# Altium PCB Roll_Min_R00.PcbDoc (part 1 of 2)
Units mm, origin at the board's own origin, x right, y up, seen from the top; angles counter-clockwise.
Board outline 100 x 140 mm, 2 copper layers (TOP, BOT), stack 1.58 mm thick; 106 components, 80 nets, 281 pads, 47 vias.
Unrouted connection lines stored in the file: 32.
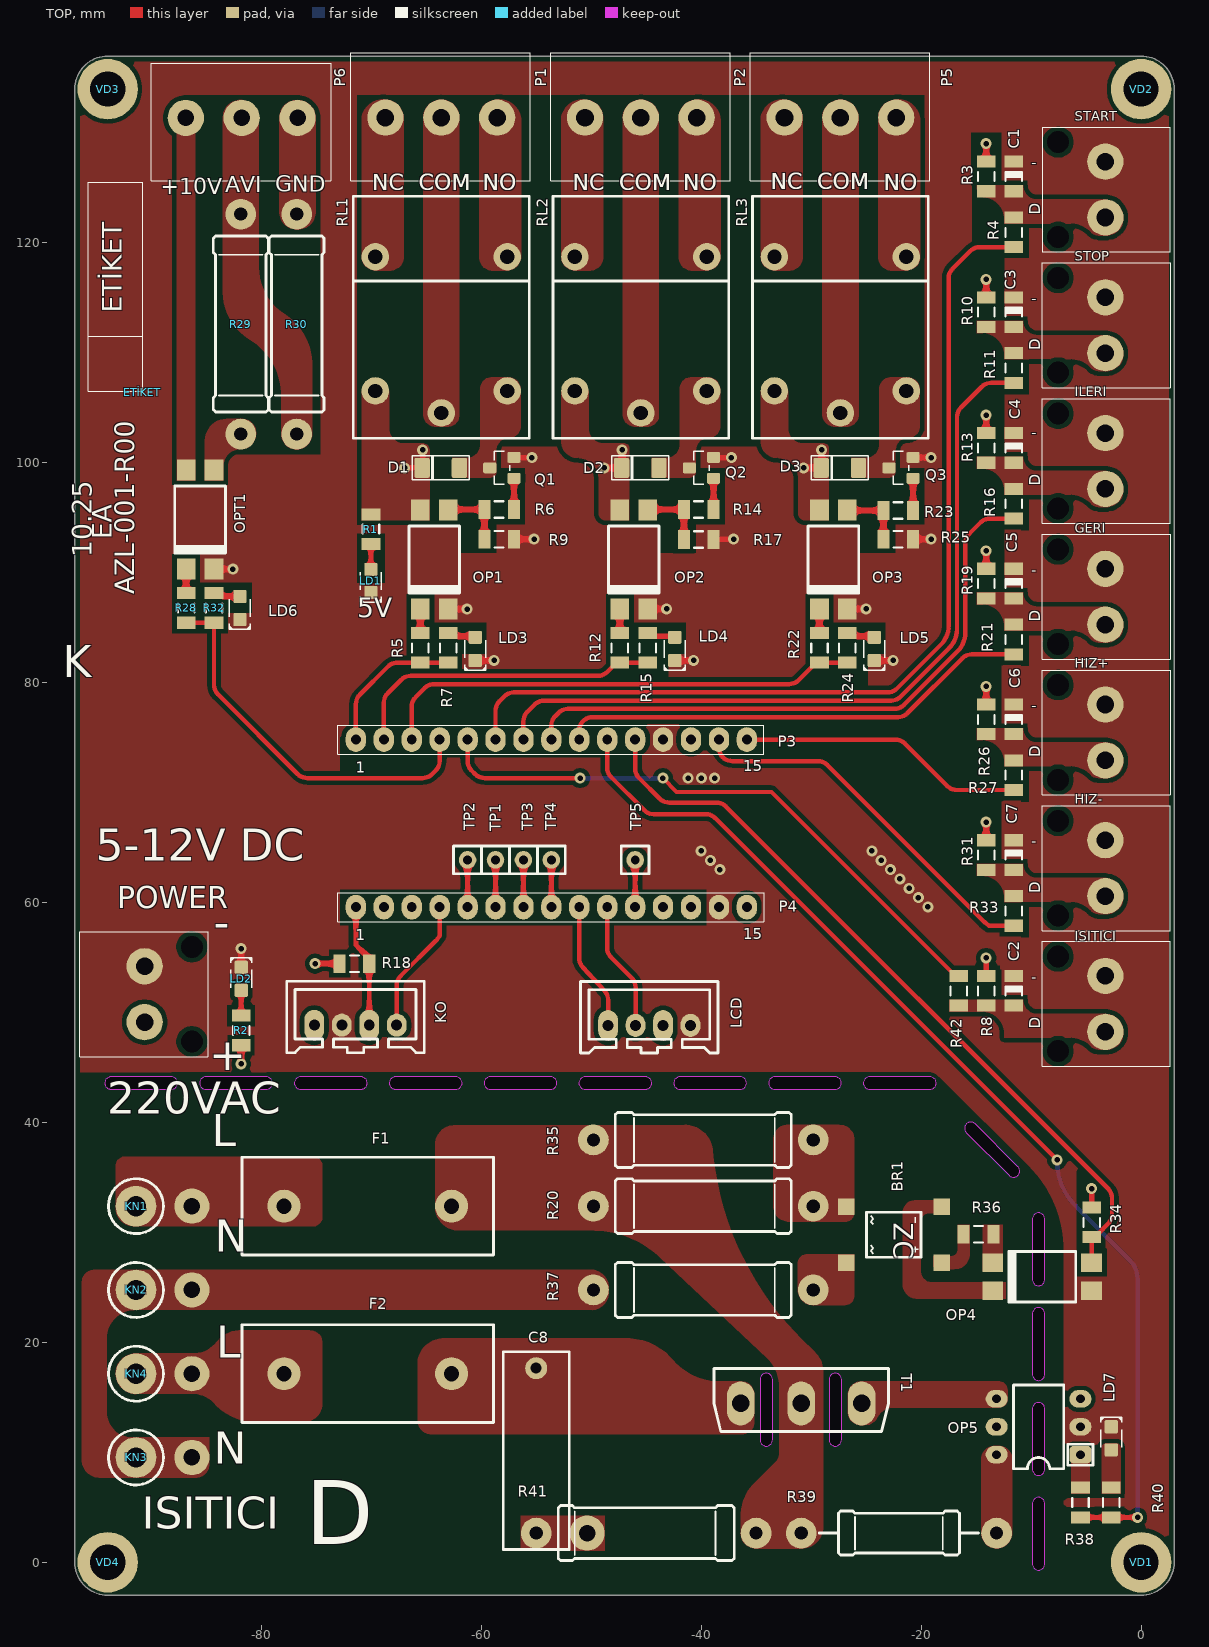
[diagram p0: TOP view]
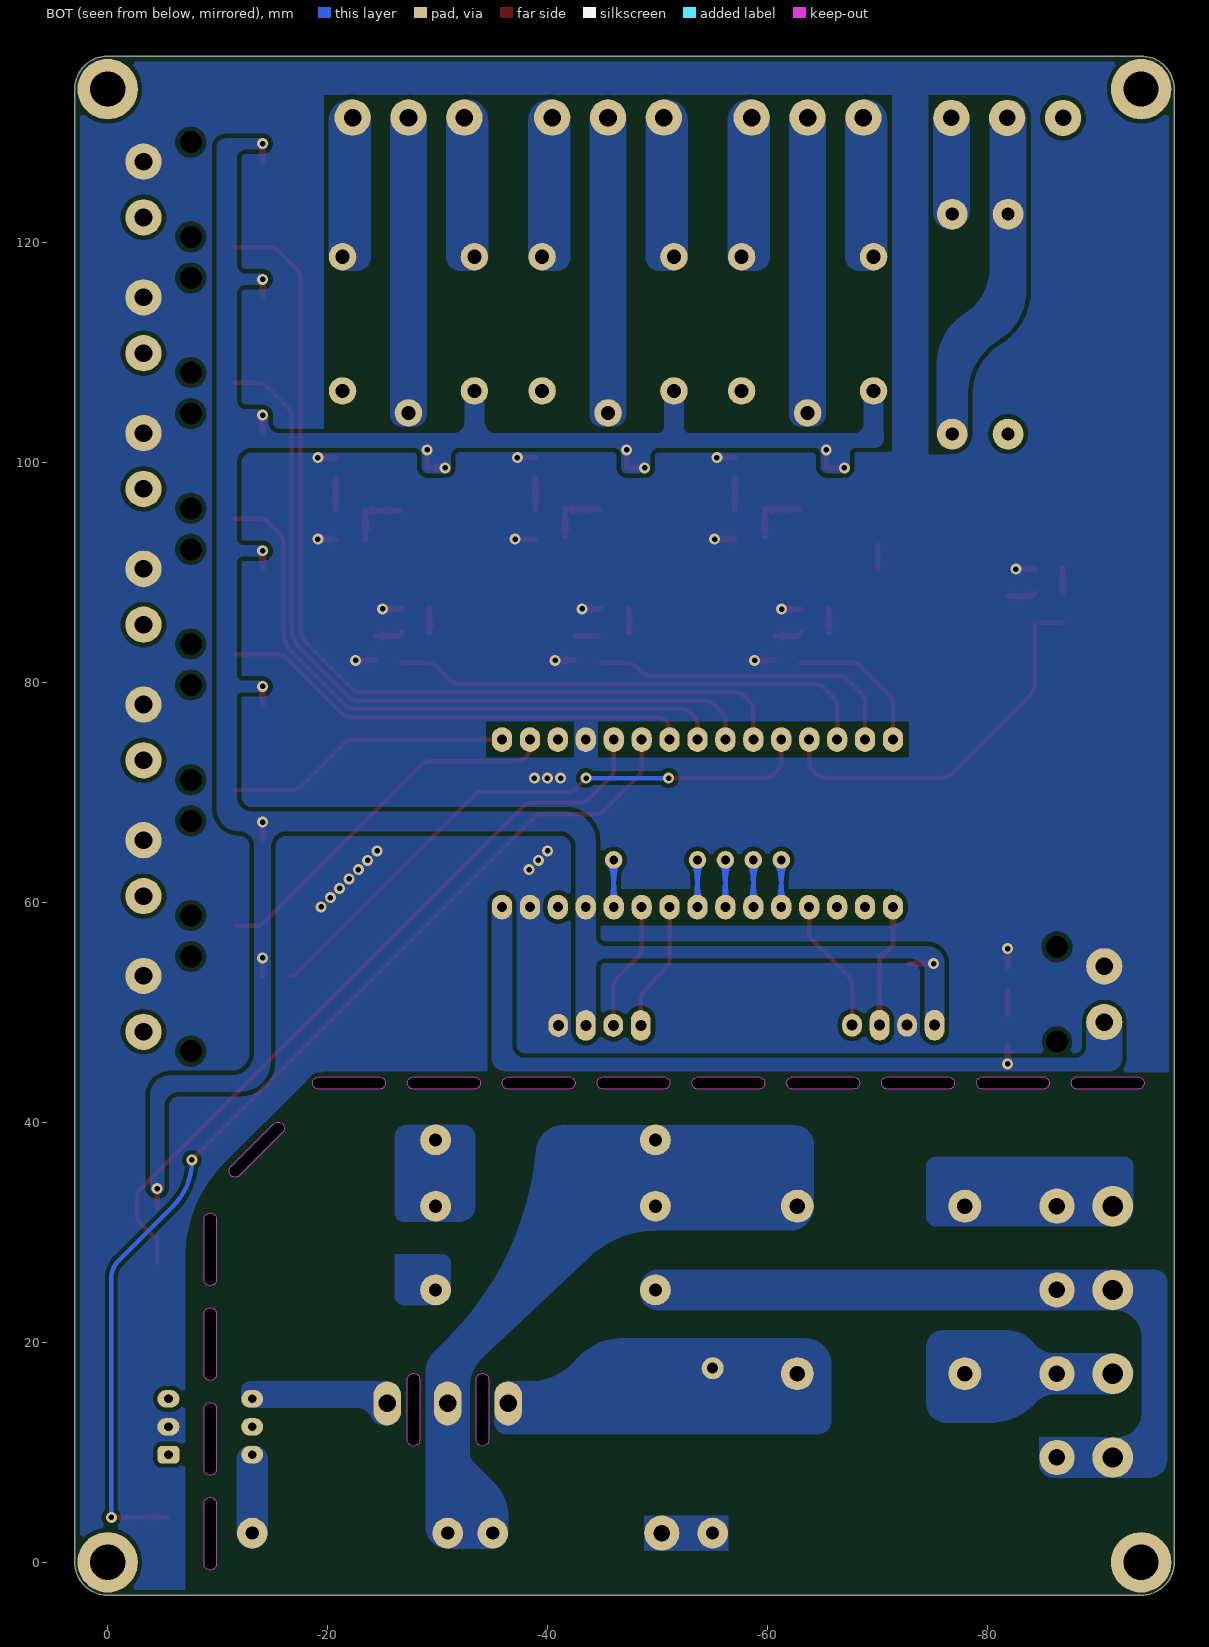
[diagram p1: BOT view, seen from below]

## Layer stack, top to bottom
Top Solder: solder mask 0.01, Solder Resist, Dk 3.5
TOP: signal copper 0.035
Dielectric 2: core 1.51, Core-009, Dk 4.5
BOT: signal copper 0.035
Bottom Solder: solder mask 0.01, Solder Resist, Dk 3.5

## Board outline
-94,-3 cw(c-94,0) -97,0 -97,134 cw(c-94,134) -94,137 0,137 cw(c0,134) 3,134 3,0 cw(c0,0) 0,-3
cut-out: -8.769,-0.155 -8.769,5.345 ccw(c-9.332,5.345) -9.332,5.908 ccw(c-9.332,5.345) -9.894,5.345 -9.894,-0.155 ccw(c-9.332,-0.155) -9.332,-0.717 ccw(c-9.332,-0.155)
cut-out: -8.769,8.47 -8.769,13.97 ccw(c-9.332,13.97) -9.332,14.533 ccw(c-9.332,13.97) -9.894,13.97 -9.894,8.47 ccw(c-9.332,8.47) -9.332,7.908 ccw(c-9.332,8.47)
cut-out: -15.89,39.074 -12.001,35.185 ccw(c-11.603,35.583) -11.205,35.185 ccw(c-11.603,35.583) -11.205,35.98 -15.095,39.87 ccw(c-15.492,39.472) -15.89,39.87 ccw(c-15.492,39.472)
cut-out: -8.769,25.72 -8.769,31.22 ccw(c-9.332,31.22) -9.332,31.783 ccw(c-9.332,31.22) -9.894,31.22 -9.894,25.72 ccw(c-9.332,25.72) -9.332,25.158 ccw(c-9.332,25.72)
cut-out: -8.769,17.095 -8.769,22.595 ccw(c-9.332,22.595) -9.332,23.158 ccw(c-9.332,22.595) -9.894,22.595 -9.894,17.095 ccw(c-9.332,17.095) -9.332,16.533 ccw(c-9.332,17.095)
cut-out: -24.704,43.029 -19.204,43.029 ccw(c-19.204,43.592) -18.642,43.592 ccw(c-19.204,43.592) -19.204,44.154 -24.704,44.154 ccw(c-24.704,43.592) -25.267,43.592 ccw(c-24.704,43.592)
cut-out: -33.329,43.029 -27.829,43.029 ccw(c-27.829,43.592) -27.267,43.592 ccw(c-27.829,43.592) -27.829,44.154 -33.329,44.154 ccw(c-33.329,43.592) -33.892,43.592 ccw(c-33.329,43.592)
cut-out: -41.954,43.029 -36.454,43.029 ccw(c-36.454,43.592) -35.892,43.592 ccw(c-36.454,43.592) -36.454,44.154 -41.954,44.154 ccw(c-41.954,43.592) -42.517,43.592 ccw(c-41.954,43.592)
cut-out: -50.579,43.029 -45.079,43.029 ccw(c-45.079,43.592) -44.517,43.592 ccw(c-45.079,43.592) -45.079,44.154 -50.579,44.154 ccw(c-50.579,43.592) -51.142,43.592 ccw(c-50.579,43.592)
cut-out: -88.204,44.154 -93.704,44.154 ccw(c-93.704,43.592) -94.267,43.592 ccw(c-93.704,43.592) -93.704,43.029 -88.204,43.029 ccw(c-88.204,43.592) -87.642,43.592 ccw(c-88.204,43.592)
cut-out: -79.579,44.154 -85.079,44.154 ccw(c-85.079,43.592) -85.642,43.592 ccw(c-85.079,43.592) -85.079,43.029 -79.579,43.029 ccw(c-79.579,43.592) -79.017,43.592 ccw(c-79.579,43.592)
cut-out: -70.954,44.154 -76.454,44.154 ccw(c-76.454,43.592) -77.017,43.592 ccw(c-76.454,43.592) -76.454,43.029 -70.954,43.029 ccw(c-70.954,43.592) -70.392,43.592 ccw(c-70.954,43.592)
cut-out: -62.329,44.154 -67.829,44.154 ccw(c-67.829,43.592) -68.392,43.592 ccw(c-67.829,43.592) -67.829,43.029 -62.329,43.029 ccw(c-62.329,43.592) -61.767,43.592 ccw(c-62.329,43.592)
cut-out: -59.204,43.029 -53.704,43.029 ccw(c-53.704,43.592) -53.142,43.592 ccw(c-53.704,43.592) -53.704,44.154 -59.204,44.154 ccw(c-59.204,43.592) -59.767,43.592 ccw(c-59.204,43.592)
cut-out: -28.379,16.629 -28.379,11.129 ccw(c-27.817,11.129) -27.817,10.567 ccw(c-27.817,11.129) -27.254,11.129 -27.254,16.629 ccw(c-27.817,16.629) -27.817,17.192 ccw(c-27.817,16.629)
cut-out: -34.654,16.629 -34.654,11.129 ccw(c-34.092,11.129) -34.092,10.567 ccw(c-34.092,11.129) -33.529,11.129 -33.529,16.629 ccw(c-34.092,16.629) -34.092,17.192 ccw(c-34.092,16.629)

## Design rules (kind name [scope] priority, off if disabled: settings)
AcuteAngle [All] p1: minimum=7.00000000000000E+0001 checktracksonly=TRUE
AssemblyTestPointUsage [All] p1 off:
AssemblyTestpoint [All] p1 off: testpointundercomponent=TRUE minsize=1.016 maxsize=2.54 preferedsize=1.524 minholesize=0 maxholesize=1.016 preferedholesize=0.813 testpointgrid=0.025 usegrid=TRUE gridtolerance=0 allowsidetop=TRUE allowsidebottom=TRUE
BoardOutlineClearance [All] p1: gap=0.5 ignorepadtopadclearanceinfootprint=FALSE except(0.1: Poly-CutoutEdge)
Clearance POLY_GND [All vs (InNamedPolygon('GND_L01_P3079') OR InNamedPolygon('GND_L02_P3177'))] p1: gap=1 ignorepadtopadclearanceinfootprint=FALSE
Clearance polygon [All vs InPolygon] p2: gap=0.4 ignorepadtopadclearanceinfootprint=FALSE
Clearance Genel [All] p3: gap=0.25 ignorepadtopadclearanceinfootprint=FALSE except(0.245: Arc-Arc Arc-Track Track-Track)
ComponentClearance [All] p1: gap=0 collisioncheckmode=3 verticalgap=0 showdistances=FALSE
DiffPairsRouting [All] p1: maxlimit=0.2 minlimit=0.2 mostfreqgap=0.2 toplayer_minwidth=0.2 toplayer_maxwidth=0.2 toplayer_prefwidth=0.2 bottomlayer_minwidth=0.2 bottomlayer_maxwidth=0.2 bottomlayer_prefwidth=0.2 maxuncoupledlength=10
FabricationTestPointUsage [All] p1 off: valid=0 allowmultiple=FALSE
FabricationTestpoint [All] p1 off: side=3 testpointundercomponent=TRUE minsize=1.016 maxsize=2.54 preferedsize=1.524 minholesize=0 maxholesize=1.016 preferedholesize=0.813 testpointgrid=0.025 allowsidetop=TRUE allowsidebottom=TRUE usegrid=TRUE gridtolerance=0
FanoutControl Fanout_BGA [IsBGA] p1: bgadir=Out bgaviamode=Centered fanoutstyle=BGA fanoutdirection=Alternating viagrid=0.025 // Fanout_BGA (Default Rule)
HoleSize [All] p1: absolutevalues=TRUE maxlimit=6.4 minlimit=0.05 maxpercent=80.000 minpercent=20.000
HoleToHoleClearance [All] p1: gap=0.5 allowstackedmicrovias=TRUE
MinimumAnnularRing [All] p1: minimumring=0.15
MinimumSolderMaskSliver [All] p1: minsoldermaskwidth=0
NetsToIgnore [All] p1:
PlaneClearance [All] p1: clearance=0.5
PlaneConnect [All] p1: planeconnectstyle=Direct reliefexpansion=0.5 reliefentries=4 reliefconductorwidth=0.25 reliefairgap=0.25
PolygonConnect [All] p1: connectstyle=Direct reliefconductorwidth=0.25 reliefentries=4 polygonreliefangle="90 Angle" airgapwidth=0.25
RoutingCorners [All] p1: cornerstyle=45-Degree minsetback=2.5 maxsetback=2.5
RoutingVias [All] p1: holewidth=0.2 width=0.5 viastyle="Through Hole" minholewidth=0.05 minwidth=0.35 maxholewidth=0.7 maxwidth=1
SMDEntry [All] p1: side=TRUE corner=TRUE anyangle=TRUE
SMDToCorner [All] p1: distance=0
SMDToPlane [All] p1: distance=0
SilkToSilkClearance [All] p1: silktosilkclearance=0.05
SilkToSolderMaskClearance [All] p1: minsilkscreentomaskgap=0.05 clearancetoexposedcopper=FALSE
SolderMaskExpansion [All] p1: expansion=0.05 istentingtop=FALSE
SupplyNets "Schematic Supply Nets_3" [InNet('GND')] p1: voltage=0.000
SupplyNets "Schematic Supply Nets_2" [InNet('+3v3')] p2: voltage=0.000
SupplyNets "Schematic Supply Nets_1" [InNet('+5v')] p3: voltage=0.000
SupplyNets "Schematic Supply Nets" [InNet('VIN')] p4: voltage=0.000
UnRoutedNet [All] p1: checkbadconnections=TRUE
ViasUnderSMD [All] p1: allowed=FALSE
Width [All] p1: maxlimit=5 minlimit=0.35 preferedwidth=0.4 minimp=50.000000 maximp=50.000000 favimp=50.000000
14 further rules are at their usual default settings.

## Components (designator, comment, footprint, x,y, rotation, side; value= is the part's Value field where it differs from the comment)
BR1 "" TO-269AA -22.494,29.797 r270 top value=MB6S
C1 "100nF" C1206 -11.586,126.059 r270 top
C2 "100nF" C1206 -11.586,51.989 r270 top
C3 "100nF" C1206 -11.586,113.714 r270 top
C4 "100nF" C1206 -11.586,101.369 r270 top
C5 "100nF" C1206 -11.586,89.024 r270 top
C6 "100nF" C1206 -11.586,76.679 r270 top
C7 "100nF" C1206 -11.586,64.334 r270 top
C8 "100NF 305VAC" "CFR F15 L18 B6 H12" -55.024,17.653 r270 top
D1 "LL4148" SOD80 -65.294,99.545 r0 top
D2 "LL4148" SOD80 -47.144,99.545 r0 top
D3 "LL4148" SOD80 -28.994,99.545 r0 top
ETİKET "Etiket" ETIKET -90.791,106.534 r90 top (schematic designator ETİKET1)
F1 "TK79" "TK 79" -62.724,32.393 r180 top
F2 "TK79" "TK 79" -62.724,17.153 r180 top
GERI "1730395" 1730395 -5.405,87.827 r270 top
HIZ+ "1730395" 1730395 -5.405,75.482 r270 top
HIZ- "1730395" 1730395 -5.405,63.137 r270 top
ILERI "1730395" 1730395 -5.405,100.172 r270 top
ISITICI "1730395" 1730395 -5.405,50.792 r270 top
KN1 "RT_01T_1.5A" RT_01T_1.5A -91.424,32.393 r270 top
KN2 "RT_01T_1.5A" RT_01T_1.5A -91.424,24.773 r270 top
KN3 "RT_01T_1.5A" RT_01T_1.5A -91.424,9.533 r270 top
KN4 "RT_01T_1.5A" RT_01T_1.5A -91.424,17.153 r270 top
KO "2641P0401T" 35312_4 -75.21,48.854 r0 top
LCD "2641P0401T" 35312_4 -48.485,48.831 r0 top
LD1 "LTST C170 KGKT GRN" "LED0805 GRN" -70.058,89.263 r90 top
LD2 "LTST C170 KGKT GRN" "LED0805 GRN" -81.856,53.079 r270 top
LD3 "LTST C170 KGKT GRN" "LED0805 GRN" -60.571,83.075 r90 top
LD4 "LTST C170 KGKT GRN" "LED0805 GRN" -42.421,83.075 r90 top
LD5 "LTST C170 KGKT GRN" "LED0805 GRN" -24.271,83.075 r90 top
LD6 "LTST C170 KGKT GRN" "LED0805 GRN" -81.975,86.801 r90 top
LD7 "LTST C170 KGKT GRN" "LED0805 GRN" -2.724,11.277 r270 top
OP1 "PS2501L-1-HA" DIP4SMD -65.564,86.769 r90 top
OP2 "PS2501L-1-HA" DIP4SMD -47.414,86.769 r90 top
OP3 "PS2501L-1-HA" DIP4SMD -29.264,86.769 r90 top
OP4 "PS2501L-1-HA" DIP4SMD -13.444,27.247 r0 top
OP5 "MOC3021" DIP6 -5.524,9.787 r180 top
OPT1 "PS2501L-1-HA" DIP4SMD -86.868,90.395 r90 top
P1 "xxxx" 5.08_3pin#1 -63.657,131.406 r0 top
P2 "xxxx" 5.08_3pin#1 -45.507,131.406 r0 top
P3 "0022284103" HDR1X15 -53.645,74.829 r0 top
P4 "0022284103" HDR1X15 -53.645,59.589 r0 top
P5 "xxxx" 5.08_3pin#1 -27.357,131.406 r0 top
P6 "xxxx" 5.08_3pin#2 -81.813,131.374 r0 top
POWER "1730395" 1730395 -88.493,51.672 r90 top
Q1 "BC817-40" SOT23 -58.144,99.545 r90 top
Q2 "BC817-40" SOT23 -39.994,99.545 r90 top
Q3 "BC817-40" SOT23 -21.844,99.545 r90 top
R1 "470R" R1206 -70.058,93.963 r90 top
R2 "470R" R1206 -81.856,48.379 r270 top
R3 "5K1" R1206 -14.093,126.052 r90 top
R4 "5K1" R1206 -11.593,120.972 r270 top
R5 "470R" R1206 -65.564,83.179 r90 top
R6 "5K1" R1206 -58.394,95.763 r0 top
R7 "470R" R1206 -63.024,83.179 r270 top
R8 "5K1" R1206 -14.093,51.982 r90 top
R9 "5K1" R1206 -58.394,93.063 r180 top
R10 "5K1" R1206 -14.093,113.707 r90 top
R11 "5K1" R1206 -11.593,108.627 r270 top
R12 "470R" R1206 -47.414,83.179 r90 top
R13 "5K1" R1206 -14.093,101.362 r90 top
R14 "5K1" R1206 -40.244,95.763 r0 top
R15 "470R" R1206 -44.874,83.179 r270 top
R16 "5K1" R1206 -11.593,96.282 r270 top
R17 "5K1" R1206 -40.244,93.029 r180 top
R18 "470R" R1206 -71.56,54.45 r0 top
R19 "5K1" R1206 -14.093,89.017 r90 top
R20 "33K %5" RCA0516 -29.824,32.393 r180 top
R21 "5K1" R1206 -11.593,83.937 r270 top
R22 "470R" R1206 -29.264,83.179 r90 top
R23 "5K1" R1206 -22.094,95.663 r0 top
R24 "470R" R1206 -26.724,83.179 r270 top
R25 "5K1" R1206 -22.094,93.063 r180 top
R26 "5K1" R1206 -14.093,76.672 r90 top
R27 "5K1" R1206 -11.593,71.592 r270 top
R28 "470R" R1206 -86.868,86.805 r90 top
R29 "33K %5" RCA0516 -81.893,102.624 r90 top
R30 "33K %5" RCA0516 -76.813,102.624 r90 top
R31 "5K1" R1206 -14.093,64.327 r90 top
R32 "470R" R1206 -84.328,86.805 r270 top
R33 "5K1" R1206 -11.593,59.247 r270 top
R34 "5K1" R1206 -4.499,30.922 r270 top
R35 "33K %5" RCA0516 -29.824,38.413 r180 top
R36 "5K1" R1206 -14.794,29.833 r0 top
R37 "33K %5" RCA0516 -29.824,24.773 r180 top
R38 "5K1" R1206 -5.524,5.437 r90 top
R39 "510R %5" RCA0411 -13.144,2.653 r180 top
R40 "470R" R1206 -2.724,5.437 r270 top
R41 "33K %5" RCA0516 -55.024,2.653 r0 top
R42 "5K1" R1206 -16.593,51.982 r270 top
RL1 "12V 10A 85C" JS1 -63.657,104.545 r90 top
RL2 "12V 10A 85C" JS1 -45.507,104.545 r90 top
RL3 "12V 10A 85C" JS1 -27.357,104.545 r90 top
START "1730395" 1730395 -5.405,124.862 r270 top
STOP "1730395" 1730395 -5.405,112.517 r270 top
T1 "BTA41-800BRG" TO247AC -30.924,14.448 r0 top
TP1 "Test Point" TESTPIN -58.725,63.889 r180 top
TP2 "Test Point" TESTPIN -61.265,63.889 r180 top
TP3 "Test Point" TESTPIN -56.185,63.889 r180 top
TP4 "Test Point" TESTPIN -53.645,63.889 r180 top
TP5 "Test Point" TESTPIN -46.025,63.889 r180 top
VD1 "Vida 3mm" "Vida 3mm"#1 0,0 r0 top locked
VD2 "Vida 3mm" "Vida 3mm"#2 0,134.168 r0 top locked
VD3 "Vida 3mm" "Vida 3mm"#3 -93.975,134.119 r0 top locked
VD4 "Vida 3mm" "Vida 3mm"#3 -93.975,0.119 r0 top locked

## Footprints (in the part's own frame and the unit in brackets; to place one, negate y for a bottom-side part, rotate by r counter-clockwise, add the part's x,y. Pads: shape width x height; smd on the part's side, far side on the other; paste and mask are expansions set on the pad)
5.08_3pin#1 [mm]
  round 3.3 hole 1.6 mask+0.1: 1(-5.08,0) 2(0,0) 3(5.08,0)
  silkscreen extent -8.21,-5.73 8.11,5.9, body extent -8.21,-5.73 8.07,5.98, height 18
5.08_3pin#2 [mm]
  round 3.3 hole 1.5 mask+0.1: 1(-5.08,0) 2(0,0) 3(5.08,0)
  silkscreen extent -8.22,-5.73 8.11,4.98, body extent -8.21,-5.73 8.07,5.98, height 18
35312_4 [mm]
  oval 1.8x2.8 hole 1: 1(0,0) 3(5,0)
  oval 1.8x2.1 hole 1: 2(2.5,0) 4(7.5,0)
  silkscreen extent -2.5,-2.5 10,4, body extent -2.48,-2.63 9.98,3.87, height 7
1730395 [mm]
  round 1.5 hole 2 unplated: 0(-4.305,-2.15) 0(4.305,-2.15)
  round 3.3 hole 1.6 mask+0.1: 1(-2.54,2.15) 2(2.54,2.15)
  silkscreen extent -5.68,-3.57 5.68,8.05, body extent -5.67,-3.57 5.67,8.05, height 18
C1206 [mm]
  rect 1.1x1.7 smd: 1(-1.343,-0.007) 2(1.357,-0.007)
  silkscreen extent -0.39,-0.76 0.41,0.74, body extent -1.6,-0.8 1.6,0.8, height 1
"CFR F15 L18 B6 H12" [mm]
  round 2 hole 1: 1(0,0) 2(15,0)
  silkscreen extent -1.5,-3 16.5,3, body extent -1.5,-3 16.5,3, height 12
DIP4SMD [mm]
  rect 1.9x1.7 smd: 1(-0.055,0) 2(-0.055,-2.54) 3(8.945,-2.54) 4(8.945,0)
  silkscreen extent 1.4,-3.57 7.49,1.03, body extent -0.64,-3.56 9.53,1.03, height 3.85
DIP6 [mm]
  rrect50% 2x1.6 hole 0.8: 1(0,0)
  oval 2x1.6 hole 0.8: 2(0,-2.54) 3(0,-5.08) 4(7.62,-5.08) 5(7.62,-2.54) 6(7.62,0)
  silkscreen extent -1.14,-6.35 6.1,1.27, body extent -0.13,-6.1 7.75,1.02, height 4.79
ETIKET [mm]
  silkscreen extent 0,0 19,5
HDR1X15 [mm]
  oval 1.85x2.25 hole 0.9: 1(-17.78,0) 2(-15.24,0) 3(-12.7,0) 4(-10.16,0) 5(-7.62,0) 6(-5.08,0) 7(-2.54,0) 8(0,0) 9(2.54,0) 10(5.08,0) 11(7.62,0) 12(10.16,0) 13(12.7,0) 14(15.24,0) 15(17.78,0)
  silkscreen extent -19.43,-1.35 19.33,1.33, body extent -19.28,-1.21 19.33,1.21, height 8.51
JS1 [mm]
  round 2.5 hole 1.3: 1(0,0) 2(2,-6) 3(14.2,-6) 4(14.2,6) 5(2,6)
  silkscreen extent -2.3,-8 19.7,8, body extent -1.4,-7.9 18.4,7.9, height 15.8
"LED0805 GRN" [mm]
  rrect20% 1.2x1.2 smd: 1(-1.05,0) 2(1.05,0)
  silkscreen extent -1.93,-0.95 0.8,0.95, body extent -1.01,-0.62 1.01,0.62, height 1.1
R1206 [mm] "Chip Capacitor, Body 3.2x1.6mm, IPC Medium Density"
  rect 1.1x1.7 smd: 1(-1.35,0) 2(1.35,0)
  silkscreen extent -0.4,-0.75 0.4,0.75, body extent -1.6,-0.8 1.6,0.8, height 1
RCA0411 [mm]
  round 2.8 hole 1.2: 1(0,0) 2(17.78,0)
  silkscreen extent 1.65,-2 16.13,2, body extent -0.4,-2 18.18,2, height 4
RCA0516 [mm]
  round 2.8 hole 1.2: 1(0,0) 2(20,0)
  silkscreen extent 2,-2.5 18.01,2.5, body extent -1.83,-2.5 21.83,2.5, height 5
RT_01T_1.5A [mm]
  round 3.7 hole 1.85: 1(0,0)
  silkscreen extent -2.5,-2.5 2.5,2.5
SOD80 [mm]
  rrect20% 1.4x1.8 smd: 1(-0.112,0) 2(3.287,0)
  silkscreen extent -1.01,-1.1 4.19,1.1, body extent -0.09,-0.76 3.26,0.78, height 1.53
SOT23 [mm]
  rrect30% 1x1.2 smd: 1(-0.95,-1.1) 2(0.95,-1.1) 3(0,1.1)
  silkscreen extent -1.5,-0.7 1.5,0.7, body extent -1.5,-1.32 1.5,1.32, height 1.08
TESTPIN [mm]
  round 1.6 hole 0.8: 1(0,0)
  silkscreen extent -1.27,-1.27 1.27,1.27
"TK 79" [mm]
  round 3 hole 1.4: 1(0,0) 2(15.24,0)
  silkscreen extent -3.81,-4.45 19.05,4.45, body extent -4.42,-4.54 19.58,4.55, height 13.42
TO247AC [mm]
  oval 2.5x4 hole 1.6: 1(-5.5,0) 2(0,0) 3(5.5,0)
  silkscreen extent -7.94,-2.54 7.94,3.17, body extent -7.88,-2.48 7.87,2.67, height 35.39
TO-269AA [mm]
  rect 1.5x1.5 smd: 1(-2.55,-4.35) 2(2.55,-4.35) 3(2.55,4.35) 4(-2.55,4.35)
  silkscreen extent -2.05,-2.47 2.05,2.47, body extent -2.47,-3.52 2.48,3.52, height 2.9
"Vida 3mm"#1 [mm]
  round 5.5 hole 3.2 mask+0.1: 0(0,0)
"Vida 3mm"#2 [mm]
  round 5.5 hole 3.2 mask+0.1: 0(0,-0.168)
"Vida 3mm"#3 [mm]
  round 5.5 hole 3.2 mask+0.1: 0(-0.025,-0.119)

## Part data
BR1: library part MB6S, Part Number=MB6S
C1 C2 C3 C4 C5 C6 C7: library part EL1581-0015, "CAPACITOR, CERAMIC, 100nF, 50V, 10% TOLERANCE, X7R, 1206 PACKAGE", Manufacturer=AVX, Tolerance=10%, Initial Voltage=50V, Component Type=Standard, ESP=ESP-1000-157, Man Code=12065C104K4T2A, RS Stock Code=EL1581-0015, RS_PLM_Stock=VI-00023353, Thermal Stability=X7R, Type=CERAMIC
C8: library part "CFR15 100NF 305VAC M85 X2", Malzeme Tanımı="CAP T X2 100n 305V%10 F15", Part Number="CFR15 100NF 305VAC M85 X2", SAPStokKodu=1200920408
D1 D2 D3: library part 1N4148-S, Malzeme Tanımı="DIODE SWITCHING SM 75V 150mA LLN4148", Part Number=1N4148-S, SAPStokKodu=1200980003
F1 F2: library part "FUSE TK79", Part Number="FUSE TK79"
GERI HIZ+ HIZ- ILERI ISITICI POWER START STOP: library part 00157666, "CONN,RECT,PLUG,5.08MM,1ROW,2P-TH,1730395", Contact Rating=24A, Manufacturer="PHONEIX CONTACT", ANGLE=VERTICAL, Component Type=Standard, Contact Gender=SOKET, ESP=N/A, Man Code=1730395, Pin Count=2, PITCH=5.08mm, RS Stock Code=00157666, RS_PLM_Stock=00157666, Type=TH
OP1 OP2 OP3 OP4 OPT1: library part PS2501-1-H, Malzeme Tanımı="OPTOCOUP SM PS2501L-1-HA CTR=80-160", Part Number=PS2501-1-H, SAPStokKodu=1200980477
P1 P2 P5 P6: library part xx1, "CONN,RECT,PLUG,5.08MM,1ROW,3P-TH,xxx", Contact Rating=24A, Manufacturer="PHONEIX CONTACT", ANGLE=VERTICAL, Component Type=Standard, Contact Gender=SOKET, ESP=N/A, HelpURL=https://docs.arduino.cc/resources/schematics/A0000, Man Code=xxxx, Pin Count=2, PITCH=5.08mm, RS Stock Code=xx1, RS_PLM_Stock=xx1, Type=TH
P3 P4: library part xx2, "CONN, 2.54MM PITCH, THROUGH HOLE, SINGLE ROW, VERTICAL, 15 PIN, PIN,", Contact Rating=3A, Manufacturer=MOLEX, ANGLE=VERTICAL, Component Type=Standard, Contact Gender=PIN, ESP=DOC-00016411, HelpURL=‪D:\Datasheets\ssw\ssw-1xx-xx-xxx-x-xx-xxx-xx-mkt.pdf, Man Code=0022284103, Pin Count=15, PITCH=2.54mm, RS Stock Code=xx2, RS_PLM_Stock=xx2, Type=TH
R1 R2 R5 R7 R12 R15 R18 R22 R24 R28 R32 R40: library part EL1591-0051, "RESISTOR , 470R, 0.25W, 1%, 1206 PACKAGE", Manufacturer=MULTICOMP, Power Rating=0.25W, Tolerance=1%, Assy=True, Component Type=Standard, ESP=ESP-1000-167, Man Code=MC025W12061470R, RS Stock Code=EL1591-0051, RS_PLM_Stock=VI-00023486
R3 R4 R6 R8 R9 R10 R11 R13 R14 R16 R17 R19 R21 R23 R25 R26 R27 R31 R33 R34 R36 R38 R42: library part EL1591-0038, "RESISTOR , 5K1, 1/4W, 1%, 1206 PACKAGE", Manufacturer=ROYALOHM, Power Rating=0.125W, Tolerance=1%, Assy=True, Component Type=Standard, ESP=ESP-1000-167, Man Code=1206S4F5101T5E, RS Stock Code=EL1591-0038, RS_PLM_Stock=VI-00023479
R20 R29 R30 R35 R37 R41: library part "RCA0516 33K %5 2W SS", Malzeme Tanımı="RES AXIAL CARB 33K %5 2W SSZ", Part Number="RCA0516 33K %5 2W SS", SAPStokKodu=1200970666
R39: library part "RCA0411 510R %5 1W", Malzeme Tanımı="RES AXIAL CARB 510R %5 1W", Part Number="RCA0411 510R %5 1W", SAPStokKodu=1200970285
RL1 RL2 RL3: library part "JS1 B 12V 10A 85C", Malzeme Tanımı="RELAY SPDT 12V 10A 16x22x16mm", Part Number="JS1 B 12V 10A 85C", SAPStokKodu=1200930032
T1: library part XXX, "BTA41", Manufacturer=STMicroelectronics, Component Type=Standard, Man Code=BTA41-800BRG, RS Stock Code=XXX, RS_PLM_Stock=XXX
TP1 TP2 TP3 TP4 TP5: library part TESTPIN, Part Number=TESTPIN
VD1 VD2 VD3 VD4: library part Vida3mm, Component Type=Mechanical, RS Stock Code=Vida3mm, RS_PLM_Stock=Vida3mm
ETİKET: Component Type=Mechanical, RS Stock Code=Etiket, RS_PLM_Stock=Etiket
KN1 KN2 KN3 KN4: Malzeme Tanımı="PIN HEADER d1,5mm L15.5 RT 01T 1.5A", Part Number=RT_01T_1.5A, SAPStokKodu=1200950950
KO LCD: Malzeme Tanımı="KONN 2.50mm 4'LU DIK 2641P0401T-1", Part Number=2641P0401T, SAPStokKodu=1200950842
LD1 LD2 LD3 LD4 LD5 LD6 LD7: Malzeme Tanımı="LED 0805 GREEN 35mcd 571nm AlInGaP", Part Number="LTST C170 KGKT GRN", SAPStokKodu=1200960005
OP5: Malzeme Tanımı="OPTO TH TRIAC 3021", Part Number=MOC3021, SAPStokKodu=1200980258
Q1 Q2 Q3: Malzeme Tanımı="TRANS SM NPN BC817-40 SOT-23", Part Number=BC817-40, SAPStokKodu=1200980331

## Free pads (board coordinates)
  round 3.2 hole 1.5: 2(-86.344,9.533) 2(-86.344,17.153) 2(-86.344,24.773) 2(-86.344,32.393) 2(-50.399,2.653)

## Via types
v1: diameter 1, hole 0.5, TOP to BOT, tented both sides, 47 vias

## Nets (pads, with @x,y where several pads share a name; then routed paths per layer and width w, separated by ;. In a path a pad name is that pad's centre, name@x,y a point inside that pad or via, vN(x,y) a via of type N, cw(c..) or ccw(c..) an arc to the next point about the centre after c; other vN are vias at no path point)
+3v3: P4.2
+5v: D1.1 D2.1 D3.1 KO.1 LCD.3 OP1.4 OP2.4 OP3.4 P4.12 R1.2 R3.2 R8.2 R10.2 R13.2 R18.1 R19.2 R26.2 R31.2 R34.1 RL1.5 RL2.5 RL3.5 | length 25.6
  TOP w0.5: v1(-75.129,54.45) R18.1@-72.91,54.45 ; v1(-66.997,99.545) D1.1@-65.357,99.545 ; D1.1@-65.357,99.874 D1.1@-65.357,99.545 ; v1(-65.357,101.185) D1.1@-65.357,99.545 ; v1(-48.847,99.545) -47.207,99.545 -47.207,99.874 v1(-47.207,101.185) ; v1(-30.697,99.545) -29.057,99.545 -29.057,99.874 v1(-29.057,101.185) ; R8.2@-14.093,53.332 v1(-14.093,54.972) ; R31.2@-14.093,65.677 v1(-14.093,67.317) ; R26.2@-14.093,78.022 v1(-14.093,79.662) ; R19.2@-14.093,90.367 v1(-14.093,92.007) ; R13.2@-14.093,102.712 v1(-14.093,104.352) ; R10.2@-14.093,115.057 v1(-14.093,116.697) ; R3.2@-14.093,127.402 v1(-14.093,129.042) ; R34.1@-4.499,32.272 v1(-4.499,33.992)
GERI: P3.9 R21.2 | length 43.3
  TOP w0.4: P3.9@-51.105,74.829 -51.105,75.672 cw(c-49.905,75.672) -49.905,76.872 -22.119,76.872 ccw(c-22.119,78.072) -21.27,77.223 -16.257,82.236 cw(c-15.409,81.387) -15.409,82.587 R21.2@-11.593,82.587
GND: C1.1 C2.1 C3.1 C4.1 C5.1 C6.1 C7.1 GERI.1 HIZ+.1 HIZ-.1 ILERI.1 ISITICI.1 KO.2 LCD.4 LD1.1 LD2.1 LD3.1 LD4.1 LD5.1 LD6.1 LD7.1 OP1.2 OP2.2 OP3.2 OP4.3 OP5.2 OPT1.2 P3.12 P4.14 POWER.2 Q1.2 Q2.2 Q3.2 R9.1 R17.1 R25.1 START.1 STOP.1 | length 23.3
  TOP w0.5: OPT1.2@-84.328,90.332 v1(-82.609,90.332) ; LD2.1@-81.856,54.108 v1(-81.856,55.827) ; OP1.2@-63.024,86.706 v1(-61.305,86.706) ; LD3.1@-60.571,82.025 v1(-58.852,82.025) ; R9.1@-57.054,93.055 v1@-55.414,93.055 ; Q1.2@-57.054,100.488 v1(-55.414,100.488) ; OP2.2@-44.874,86.714 v1(-43.155,86.714) ; LD4.1@-42.421,82.025 v1(-40.702,82.025) ; R17.1@-38.904,93.055 v1@-37.264,93.055 ; Q2.2@-38.904,100.487 v1(-37.264,100.488) ; OP3.2@-26.724,86.714 v1(-25.005,86.714) ; LD5.1@-24.271,82.025 v1(-22.552,82.025) ; R25.1@-20.754,93.055 v1(-19.114,93.055) ; Q3.2@-20.754,100.488 v1@-19.384,100.488
  other v1: -19.407,59.607 -20.256,60.456 -21.104,61.304 -21.953,62.153 -38.326,63.001 -22.801,63.001 -39.175,63.85 -23.65,63.85 -40.023,64.699 -24.499,64.699 -41.2,71.329 -40,71.329 -38.8,71.329 -55.214,93.055 -37.064,93.055 -19.114,100.488
HIZ+: P3.15 R27.2 | length 26.1
  TOP w0.4: P3.15@-35.865,74.829 -22.351,74.829 cw(c-22.351,73.629) -21.503,74.478 -17.619,70.594 ccw(c-16.77,71.442) -16.77,70.242 R27.2@-11.593,70.242
HIZ-: P3.14 R33.2 | length 34.4
  TOP w0.4: P3.14@-38.405,74.829 -38.405,74.074 ccw(c-37.205,74.074) -37.205,72.874 -29.396,72.874 cw(c-29.396,71.674) -28.549,72.523 -14.274,58.248 ccw(c-13.425,59.097) -14.168,58.154 -13.84,57.897 R33.2@-11.593,57.897
ILERI: P3.8 R16.2 | length 56.7
  TOP w0.4: P3.8@-53.645,74.829 -53.645,76.115 cw(c-52.445,76.115) -53.294,76.963 -52.984,77.272 cw(c-52.136,76.424) -52.136,77.624 -22.43,77.624 ccw(c-22.43,78.824) -21.582,77.975 -16.702,82.855 ccw(c-18.399,84.551) -15.999,84.551 -15.999,92.687 cw(c-14.799,92.687) -15.649,93.535 -14.603,94.581 cw(c-13.754,93.732) -13.754,94.932 -12.243,94.932 R16.2@-11.593,94.932